# Altium PCB RFFE_Controller.PcbDoc (part 1 of 2) (continued)
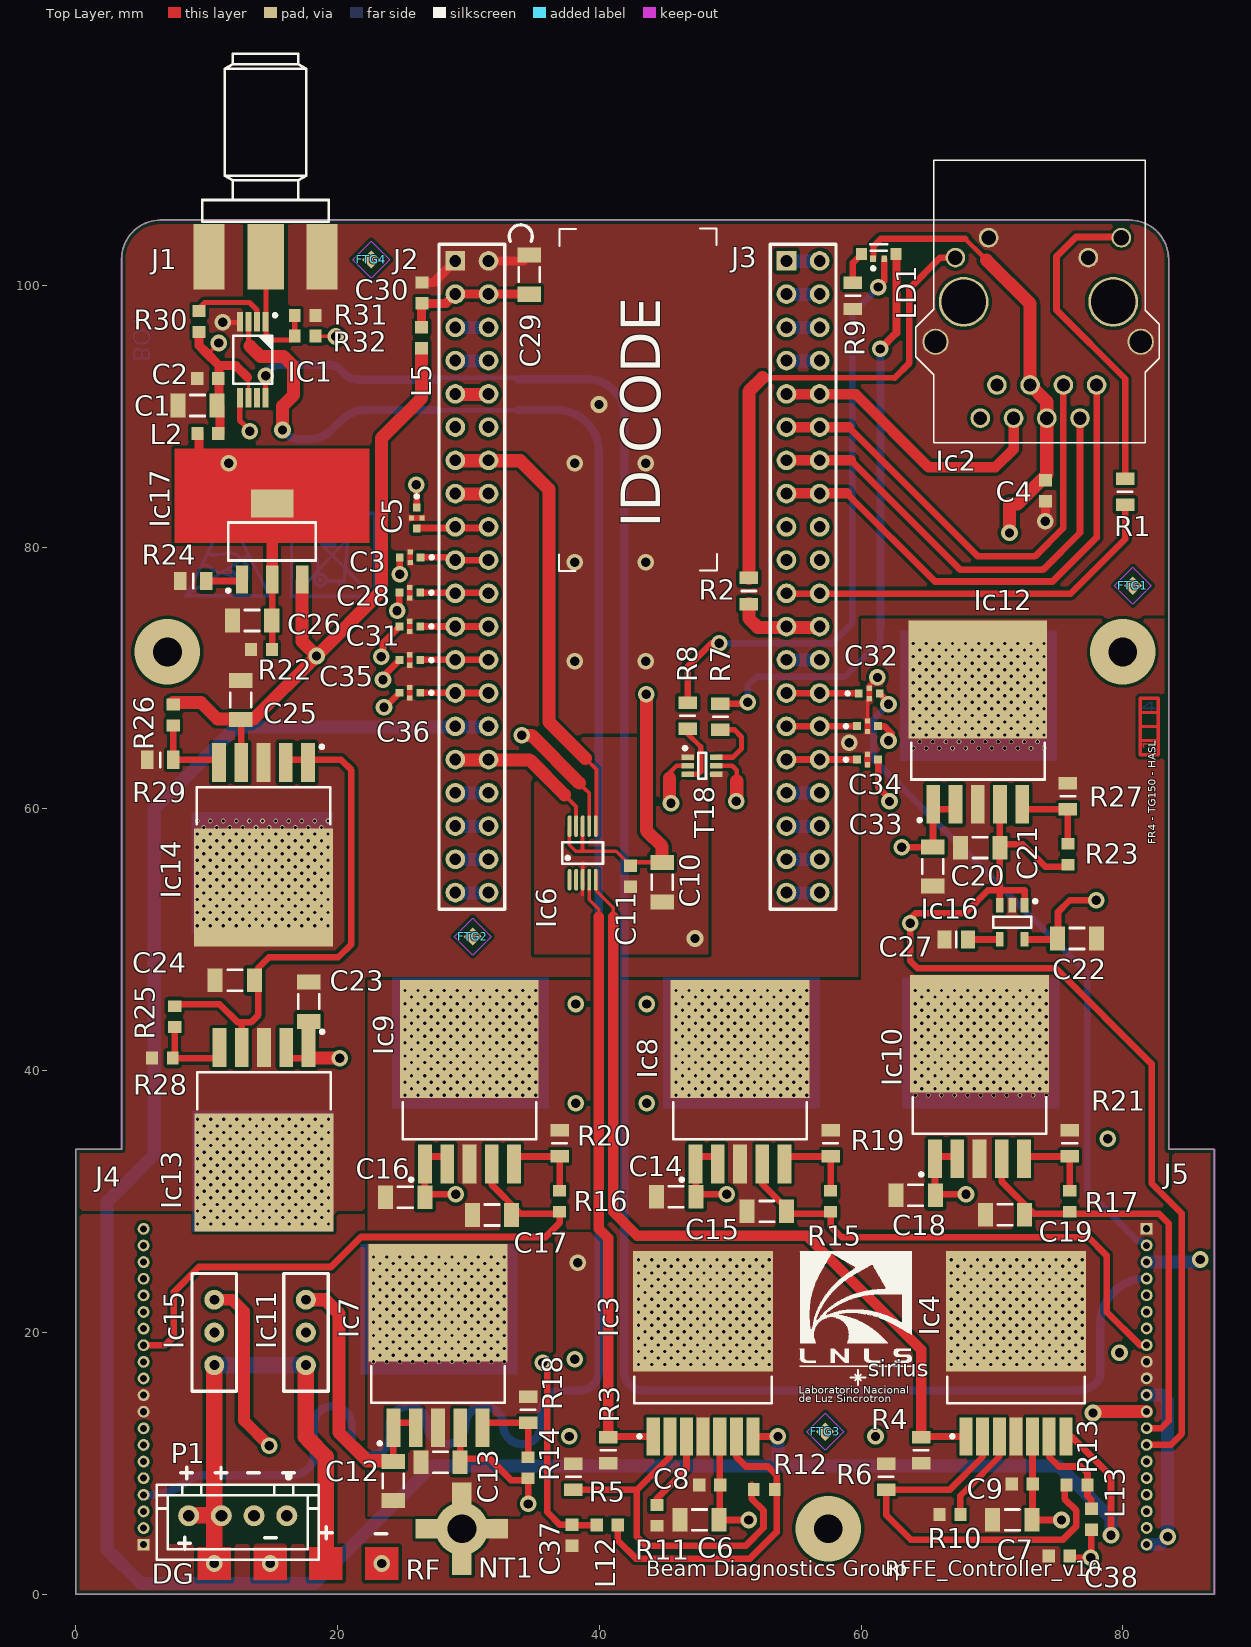
[diagram p0: Top Layer view]
## Part data (continued)
R10 R11: library part R0603_47K_1%_0.1W_100PPM, "Resistor - 1%", Case=0603, Manufacturer=GENERIC, Manufacturer1 ComponentHeight=0.55mm, Manufacturer1 Example="NIC COMPONENT", Manufacturer1 Part Number=NRC06F4702TRF, Power=0.1W, Tolerance=±1%, Author="CERN DEM JLC", Component Type=Standard, CreateDate=03/12/2007, HelpURL=\\cern.ch\dfs\Applications\Altium\Datasheets\R0603_NIC_NRC.pdf, LatestRevisionDate=13/03/2008, Manufacturer Part Number=R0603_47K_1%_0.1W_100PPM, Mounted=Yes, Part Description="General Purpose Thick Film Chip Resistor", Part Number=R0603_47K_1%_0.1W_100PPM, Pin Count=2, Sense=No, SMD=Yes, Socket=No, Status=Preferred, TC=±100ppm/°C
R12 R13: library part R0603_20K_1%_0.1W_100PPM, "Resistor - 1%", Case=0603, Manufacturer=GENERIC, Manufacturer1 ComponentHeight=0.55mm, Manufacturer1 Example="NIC COMPONENT", Manufacturer1 Part Number=NRC06F2002TRF, Power=0.1W, Tolerance=±1%, Author="CERN DEM JLC", Component Type=Standard, CreateDate=03/12/2007, HelpURL=\\cern.ch\dfs\Applications\Altium\Datasheets\R0603_NIC_NRC.pdf, LatestRevisionDate=13/03/2008, Manufacturer Part Number=R0603_20K_1%_0.1W_100PPM, Mounted=Yes, Part Description="General Purpose Thick Film Chip Resistor", Part Number=R0603_20K_1%_0.1W_100PPM, Pin Count=2, Sense=No, SMD=Yes, Socket=No, Status=Preferred, TC=±100ppm/°C
R14 R15 R16 R17 R23 R25 R26 R30: library part R0603_4K7_1%_0.1W_100PPM, "Resistor - 1%", Case=0603, Manufacturer=GENERIC, Manufacturer1 ComponentHeight=0.55mm, Manufacturer1 Example="NIC COMPONENT", Manufacturer1 Part Number=NRC06F4701TRF, Power=0.1W, Tolerance=±1%, Author="CERN DEM JLC", Component Type=Standard, CreateDate=03/12/2007, HelpURL=\\cern.ch\dfs\Applications\Altium\Datasheets\R0603_NIC_NRC.pdf, LatestRevisionDate=13/03/2008, Manufacturer Part Number=R0603_4K7_1%_0.1W_100PPM, Mounted=Yes, Part Description="General Purpose Thick Film Chip Resistor", Part Number=R0603_4K7_1%_0.1W_100PPM, Pin Count=2, Sense=No, SMD=Yes, Socket=No, Status=Preferred, TC=±100ppm/°C
R18 R19 R20 R21 R27 R29: library part R0805_1K5_0.1%_0.1W_10PPM, "Resistor - 0.1%", Case=0805, Manufacturer=GENERIC, Manufacturer1 ComponentHeight=0.6mm, Manufacturer1 Example="TYCO HOLSWORTHY", Manufacturer1 Part Number=RN73C2A1K5BTG, Power=0.1W, Tolerance=±0.1%, Author="CERN DEM JLC", Component Type=Standard, CreateDate=03/12/2007, HelpURL=\\cern.ch\dfs\Applications\Altium\Datasheets\R0805_Tyco_RN73.pdf, LatestRevisionDate=13/03/2008, Manufacturer Part Number=R0805_1K5_0.1%_0.1W_10PPM, Mounted=Yes, Part Description="Thin Film Chip Resistor", Part Number=R0805_1K5_0.1%_0.1W_10PPM, Pin Count=2, Sense=No, SMD=Yes, Socket=No, Status="Not recommended", TC=±10ppm
R22 R28: library part R0603_1K_1%_0.1W_100PPM, "Resistor - 1%", Case=0603, Manufacturer=GENERIC, Manufacturer1 ComponentHeight=0.55mm, Manufacturer1 Example="NIC COMPONENT", Manufacturer1 Part Number=NRC06F1001TRF, Power=0.1W, Tolerance=±1%, Author="CERN DEM JLC", Component Type=Standard, CreateDate=03/12/2007, HelpURL=\\cern.ch\dfs\Applications\Altium\Datasheets\R0603_NIC_NRC.pdf, LatestRevisionDate=13/03/2008, Manufacturer Part Number=R0603_1K_1%_0.1W_100PPM, Mounted=Yes, Part Description="General Purpose Thick Film Chip Resistor", Part Number=R0603_1K_1%_0.1W_100PPM, Pin Count=2, Sense=No, SMD=Yes, Socket=No, Status=Preferred, TC=±100ppm/°C
R24: library part R0805_330K_1%_0.125W_100PPM, "Resistor - 1%", Case=0805, Manufacturer=GENERIC, Manufacturer1 ComponentHeight=0.6mm, Manufacturer1 Example="NIC COMPONENT", Manufacturer1 Part Number=NRC10F3303TRF, Power=0.125W, Tolerance=±1%, Author="CERN DEM JLC", Component Type=Standard, CreateDate=03/12/2007, HelpURL=\\cern.ch\dfs\Applications\Altium\Datasheets\R0805_NIC_NRC.pdf, LatestRevisionDate=13/03/2008, Manufacturer Part Number=R0805_330K_1%_0.125W_100PPM, Mounted=Yes, Part Description="General Purpose Thick Film Chip Resistor", Part Number=R0805_330K_1%_0.125W_100PPM, Pin Count=2, Sense=No, SMD=Yes, Socket=No, Status=Preferred, TC=±100ppm/°C
R31 R32: library part R0603_100R_1%_0.1W_100PPM, "Resistor - 1%", Case=0603, Manufacturer=GENERIC, Manufacturer1 ComponentHeight=0.55mm, Manufacturer1 Example="NIC COMPONENT", Manufacturer1 Part Number=NRC06F4700TRF, Power=0.1W, Tolerance=±1%, Author="CERN DEM JLC", Component Type=Standard, CreateDate=03/12/2007, HelpURL=\\cern.ch\dfs\Applications\Altium\Datasheets\R0603_NIC_NRC.pdf, LatestRevisionDate=13/03/2008, Manufacturer Part Number=R0603_100R_1%_0.1W_100PPM, Mounted=Yes, Part Description="General Purpose Thick Film Chip Resistor", Part Number=R0603_100R_1%_0.1W_100PPM, Pin Count=2, Sense=No, SMD=Yes, Socket=No, Status=Preferred, TC=±100ppm/°C
T18: "Dual N-Channel micro TrenchMOS™ Ultra Low Level FET", Case=SOT363, Manufacturer="NXP SEMICONDUCTORS", Author="CERN DEM JLC", Bonding=No, ComponentHeight=1.1mm, Component Type=Standard, CreateDate=19/11/2014, Device=PMGD280UN, HelpURL=\\cern.ch\dfs\Applications\Altium\Datasheets\PMGD280UN.pdf, LatestRevisionDate=19/11/2014, Manufacturer Part Number=PMGD280UN, Mounted=Yes, PackageDescription="SOT363, SC70-6, SOT, 0.65mm Pitch, 6 pin, 1.25mm W X 2.00mm L X 1.10mm H, IPC Medium Density", Part Description="20V 870mA Dual N-Channel micro TrenchMOS™ Ultra Low Level FET", Part Number=PMGD280UN, Pin Count=6, PressFit=No, Sense=No, SMD=Yes, Socket=No
NT1: Author="LNLS DIG FCS", ComponentHeight=0mm, Component Type="Net Tie", CreateDate=01/07/2016, Family="Net Tie", HelpURL=Undefined, LatestRevisionDate=01/07/2016, Mounted=No, PackageDescription="Plated Through Hole For 4xGND link: Hole Dia.=2.2mm Pad =7.11 x 7.11mm", Part Description="Net Tie (4 Nets) and hole 2.2mm x 7.11mm", Part Number="Net Tie X 4 and hole 2.2", Pin Count=4, Sense=No, SMD=No, Socket=No, Status=None

## Via types
v1: diameter 0.35, hole 0.254, Top Layer to Bottom Layer, 1611 vias
v2: diameter 1.27, hole 0.711, Top Layer to Bottom Layer, 68 vias
v3: diameter 5, hole 2.2, Top Layer to Bottom Layer, 3 vias
v4: diameter 4, hole 2.2, Top Layer to Bottom Layer, 1 vias

## Nets (pads, with @x,y where several pads share a name; then routed paths per layer and width w, separated by ;. In a path a pad name is that pad's centre, name@x,y a point inside that pad or via, vN(x,y) a via of type N, cw(c..) or ccw(c..) an arc to the next point about the centre after c; other vN are vias at no path point)
9VIN: Ic11.1 Ic15.1 P1.3 P1.4 | length 40.5
  Top Layer w1.27: P1.4@8.555,6.025 P1.3@11.095,6.025 ; v2(10.583,2.349) Ic15.1@10.583,17.5 ; Ic11.1@17.583,17.5 17.583,12.053 17.734,11.902 17.734,11.866 19.1,10.5 19.1,2.349
  Bottom Layer w1.27: Ic15.1@10.583,17.5 Ic11.1@17.583,17.5
+3.3V: C4.2 C10.2 C11.2 C26.2 Ic2.4 Ic2.5 Ic6.8 Ic6.10 Ic17.2 Ic17.4 L2.1 LD1.2 R22.2 | length 145.7
  Top Layer w0.254: Ic6.10@37.716,58.475 37.716,57.25 38.195,56.77 41.282,56.77 C11.2@42.131,55.922
  Top Layer w0.3: 38.732,56.8 Ic6.8@38.732,58.1
  Top Layer w0.35: 67.975,103.55 69.211,102.314 69.587,101.937
  Top Layer w0.381: C11.2@42.137,55.928 C10.2@44.804,55.928
  Top Layer w0.45: LD1.2@60.95,102.05 60.95,103
  Top Layer w0.5: 60.95,103 61.5,103.55 67.975,103.55
  Top Layer w0.508: R22.2@15,72.2 Ic17.2@15,77.413
  Top Layer w0.7: 9.25,86.675 9.425,86.85 L2.1@9.425,88.675 ; 11.025,87.088 v2(11.7,86.413)
  Top Layer w0.889: Ic17.2@15,77.413 Ic17.4@15,83.513
  Top Layer w1: v2(43.6,68.775) 43.6,58.35 44.804,57.146 C10.2@44.804,55.928 ; 69.588,101.937 72.92,98.605 Ic2.5@72.92,92.395 74.19,91.125 Ic2.4@74.19,89.855 74.19,85.547 71.934,83.291 71.351,83.291 v2@71.351,81.403
  MidLayer1 w0.381: 48.863,70.05 58.925,70.05
  MidLayer1 w0.508: 28.355,80.275 32.407,80.275
  MidLayer1 w0.7: v2(11.7,86.413) 17.828,80.285 28.355,80.285
  MidLayer1 w1: 32.407,80.275 34.05,80.275 41,73.325 41,71.25 43.625,68.625 45.05,70.05 48.863,70.05 ; 58.925,70.05 69.966,81.091 v2(71.343,81.091)
+3VRF: C22.2 Ic16.5 J4.7 J5.7 | length 129.5
  Top Layer w0.508: Ic16.5@72.503,50.031 C22.2@75.001,50.031 ; C22.2@75.05,50.031 75.05,52.128 75.946,53.024 v2(77.978,53.024)
  MidLayer2 w0.508: J4.7@5.18,11.406 6.531,11.406 7.625,12.5 33.5,12.5 35.086,10.914 77.339,10.914 80.022,13.597 80.022,16.203 78.575,17.65 78.575,21.15 79.025,21.6 80.425,21.6 80.425,50.577 v2(77.978,53.024) ; 80.425,21.613 81.732,20.306 J5.7@81.82,20.306
+5VD: C25.2 Ic14.4 Ic17.3 J4.12 J5.12 L5.1 R26.2 | length 195
  Top Layer w0.508: Ic14.4@12.653,63.757 C25.2@12.653,66.871 ; L5.1@26.4,95.175 L5.1@26.425,95.15
  Top Layer w1: R26.2@7.452,68.136 9.566,68.136 10.831,66.871 12.653,66.871 13.582,66.871 v2(18.4,71.689) ; Ic17.3@17.3,77.413 17.3,72.789 v2(18.4,71.689) ; L5.1@26.425,95.15 26.425,91.4 23.355,88.33 23.355,76.645 v2(18.4,71.689) ; v2(77.725,13.85) 77.831,13.956 J5.12@81.82,13.956
  MidLayer2 w0.8: J4.12@5.18,17.756 6.244,17.756 6.546,17.454 6.546,15.854 8.4,14 77.575,14 v2(77.725,13.85)
  MidLayer2 w1: J4.12@5.18,17.756 3.444,17.756 2.075,19.125 2.075,29.95 5.888,33.763 5.888,64.588 12.989,71.689 v2(18.4,71.689)
+5VRF: C21.2 Ic12.4 Ic16.1 Ic16.3 J4.14 J5.14 R23.2 | length 178.4
  Top Layer w0.508: Ic16.3@70.603,52.731 70.603,53.788 ; Ic12.4@70.603,59.97 C21.2@70.603,57.303 ; Ic16.1@72.503,52.731 72.503,53.788 70.603,53.788 ; R23.2@75.804,55.591 74.071,55.591 72.359,57.303 C21.2@70.603,57.303 ; J5.14@81.82,11.416 83.666,11.416 84.5,12.25 84.5,29.1 82.2,31.4 82.2,40.522 74.887,47.834 64.316,47.834 63.75,48.4 63.75,51.625 64.15,52.025 67.943,52.025 69.706,53.788 70.603,53.788 ; 70.603,53.788 C21.2@70.603,57.303
  MidLayer2 w0.8: J4.14@5.18,20.296 5.879,20.296 7.6,18.575 7.6,16.7 9.246,15.054 39.354,15.054 41,16.7 41,51.05 41.675,51.725 63.3,51.725 v2(63.75,51.275)
+9VD: C6.2 C7.2 C8.2 C9.2 C23.2 Ic3.5 Ic4.5 Ic13.1 Ic13.2 Ic15.3 | length 130.5
  Top Layer w0.508: Ic13.2@16.094,40.957 17.796,40.957 C23.2@17.796,43.848 ; Ic3.5@49.202,12.057 49.202,5.675 v2(51.409,5.675) ; C7.2@73.105,5.675 v2(75.312,5.675) ; C7.2@73.105,5.693 Ic4.5@73.105,12.057
  Top Layer w0.889: Ic15.3@10.583,22.5 11.968,22.5 12.852,21.615 12.852,13.273 v2(14.775,11.35)
  Top Layer w1: Ic13.1@17.796,40.957 v2(20.163,40.957)
  MidLayer1 w0.889: v2(14.775,11.35) 33.35,11.35 35.48,9.22 71.767,9.22 v2(75.312,5.675) ; v2(51.409,5.675) 51.409,9.211
  MidLayer1 w1: Ic15.3@10.583,22.5 13.333,25.25 18.56,25.25 21.05,27.74 21.05,40.07 v2(20.163,40.957)
+9VRF: C12.2 C14.2 C16.2 C18.2 C20.2 Ic7.1 Ic7.2 Ic8.1 Ic8.2 Ic9.1 Ic9.2 Ic10.1 Ic10.2 Ic11.3 Ic12.1 Ic12.2 | length 136.8
  Top Layer w0.508: C12.2@24.262,10.201 24.262,13.096 Ic7.2@25.964,13.096 ; Ic9.2@28.369,33.451 26.667,33.451 26.667,30.556 v2(29.034,30.556) ; Ic8.2@49.07,33.451 47.368,33.451 47.368,30.556 v2(49.735,30.556) ; v2(63.108,57.075) 65.497,57.075 65.497,59.97 Ic12.2@67.199,59.97 ; Ic10.2@67.358,33.451 65.656,33.451 65.656,30.556 v2(68.023,30.556)
  Top Layer w1: Ic11.3@17.583,22.5 19.054,22.5 20.1,21.454 20.1,12.361 22.26,10.201 C12.2@24.262,10.201
  MidLayer1 w1: Ic11.3@17.583,22.5 29.932,34.849 63.73,34.849 v2(68.023,30.556) ; 27.383,32.207 v2(29.034,30.556) ; v2(49.735,30.556) 49.735,34.814 ; 60.477,34.871 60.477,54.444 v2(63.108,57.075)
A+5V: C17.2 Ic9.4 J4.13 R16.2 | length 46.6
  Top Layer w0.508: J4.13@5.18,19.026 6.826,19.026 7.5,19.7 7.5,23.1 9.4,25 19.5,25 21.8,27.3 35.9,27.3 36.974,28.374 36.974,29.072 34.003,29.072 31.773,31.302 Ic9.4@31.773,33.451
AGND: C6.1 C7.1 C8.1 C9.1 C10.1 C11.1 C37.1 C38.1 Ic3.4 Ic3.8 Ic4.4 Ic4.8 Ic6.3 J4.1 J4.9 J4.10 J5.1 J5.9 J5.10 NT1.1 R3.1 R4.1 R5.2 R6.2 R10.1 R11.1 | length 7.4
  Top Layer w0.25: 38.726,53.426 38.726,54.582 Ic6.3@38.732,54.588 38.732,55.882
  MidLayer1 w1.27: v2(38.35,25.325) 42.223,25.325 v1(42.998,24.549)
  other v1: 42.998,17.549 43.998,17.549 44.998,17.549 45.998,17.549 46.998,17.549 47.998,17.549 48.998,17.549 49.998,17.549 50.998,17.549 51.998,17.549 52.998,17.549 66.901,17.549 67.901,17.549 68.901,17.549 69.901,17.549 70.901,17.549 71.901,17.549 72.901,17.549 73.901,17.549 74.901,17.549 75.901,17.549 76.901,17.549 43.498,18.049 44.498,18.049 45.498,18.049 46.498,18.049 47.498,18.049 48.498,18.049 49.498,18.049 50.498,18.049 51.498,18.049 52.498,18.049 67.401,18.049 68.401,18.049 69.401,18.049 70.401,18.049 71.401,18.049 72.401,18.049 73.401,18.049 74.401,18.049 75.401,18.049 76.401,18.049 42.998,18.549 43.998,18.549 44.998,18.549 45.998,18.549 46.998,18.549 47.998,18.549 48.998,18.549 49.998,18.549 50.998,18.549 51.998,18.549 52.998,18.549 66.901,18.549 67.901,18.549 68.901,18.549 69.901,18.549 70.901,18.549 71.901,18.549 72.901,18.549 73.901,18.549 74.901,18.549 75.901,18.549 76.901,18.549 43.498,19.049 44.498,19.049 45.498,19.049 46.498,19.049 47.498,19.049 48.498,19.049 49.498,19.049 50.498,19.049 51.498,19.049 52.498,19.049 67.401,19.049 68.401,19.049 69.401,19.049 70.401,19.049 71.401,19.049 72.401,19.049 73.401,19.049 74.401,19.049 75.401,19.049 76.401,19.049 42.998,19.549 43.998,19.549 44.998,19.549 45.998,19.549 46.998,19.549 47.998,19.549 48.998,19.549 49.998,19.549 50.998,19.549 51.998,19.549 52.998,19.549 66.901,19.549 67.901,19.549 68.901,19.549 69.901,19.549 70.901,19.549 71.901,19.549 72.901,19.549 73.901,19.549 74.901,19.549 75.901,19.549 76.901,19.549 43.498,20.049 44.498,20.049 45.498,20.049 46.498,20.049 47.498,20.049 48.498,20.049 49.498,20.049 50.498,20.049 51.498,20.049 52.498,20.049 67.401,20.049 68.401,20.049 69.401,20.049 70.401,20.049 71.401,20.049 72.401,20.049 73.401,20.049 74.401,20.049 75.401,20.049 76.401,20.049 42.998,20.549 43.998,20.549 44.998,20.549 45.998,20.549 46.998,20.549 47.998,20.549 48.998,20.549 49.998,20.549 50.998,20.549 51.998,20.549 52.998,20.549 66.901,20.549 67.901,20.549 68.901,20.549 69.901,20.549 70.901,20.549 71.901,20.549 72.901,20.549 73.901,20.549 74.901,20.549 75.901,20.549 76.901,20.549 43.498,21.049 44.498,21.049 45.498,21.049 46.498,21.049 47.498,21.049 48.498,21.049 49.498,21.049 50.498,21.049 51.498,21.049 52.498,21.049 67.401,21.049 68.401,21.049 69.401,21.049 70.401,21.049 71.401,21.049 72.401,21.049 73.401,21.049 74.401,21.049 75.401,21.049 76.401,21.049 42.998,21.549 43.998,21.549 44.998,21.549 45.998,21.549 46.998,21.549 47.998,21.549 48.998,21.549 49.998,21.549 50.998,21.549 51.998,21.549 52.998,21.549 66.901,21.549 67.901,21.549 68.901,21.549 69.901,21.549 70.901,21.549 71.901,21.549 72.901,21.549 73.901,21.549 74.901,21.549 75.901,21.549 76.901,21.549 43.498,22.049 44.498,22.049 45.498,22.049 46.498,22.049 47.498,22.049 48.498,22.049 49.498,22.049 50.498,22.049 51.498,22.049 52.498,22.049 67.401,22.049 68.401,22.049 69.401,22.049 70.401,22.049 71.401,22.049 72.401,22.049 73.401,22.049 74.401,22.049 75.401,22.049 76.401,22.049 42.998,22.549 43.998,22.549 44.998,22.549 45.998,22.549 46.998,22.549 47.998,22.549 48.998,22.549 49.998,22.549 50.998,22.549 51.998,22.549 52.998,22.549 66.901,22.549 67.901,22.549 68.901,22.549 69.901,22.549 70.901,22.549 71.901,22.549 72.901,22.549 73.901,22.549 74.901,22.549 75.901,22.549 76.901,22.549 43.498,23.049 44.498,23.049 45.498,23.049 46.498,23.049 47.498,23.049 48.498,23.049 49.498,23.049 50.498,23.049 51.498,23.049 52.498,23.049 67.401,23.049 68.401,23.049 69.401,23.049 70.401,23.049 71.401,23.049 72.401,23.049 73.401,23.049 74.401,23.049 75.401,23.049 76.401,23.049 42.998,23.549 43.998,23.549 44.998,23.549 45.998,23.549 46.998,23.549 47.998,23.549 48.998,23.549 49.998,23.549 50.998,23.549 51.998,23.549 52.998,23.549 66.901,23.549 67.901,23.549 68.901,23.549 69.901,23.549 70.901,23.549 71.901,23.549 72.901,23.549 73.901,23.549 74.901,23.549 75.901,23.549 76.901,23.549 43.498,24.049 44.498,24.049 45.498,24.049 46.498,24.049 47.498,24.049 48.498,24.049 49.498,24.049 50.498,24.049 51.498,24.049 52.498,24.049 67.401,24.049 68.401,24.049 69.401,24.049 70.401,24.049 71.401,24.049 72.401,24.049 73.401,24.049 74.401,24.049 75.401,24.049 76.401,24.049 43.998,24.549 44.998,24.549 45.998,24.549 46.998,24.549 47.998,24.549 48.998,24.549 49.998,24.549 50.998,24.549 51.998,24.549 52.998,24.549 66.901,24.549 67.901,24.549 68.901,24.549 69.901,24.549 70.901,24.549 71.901,24.549 72.901,24.549 73.901,24.549 74.901,24.549 75.901,24.549 76.901,24.549 43.498,25.049 44.498,25.049 45.498,25.049 46.498,25.049 47.498,25.049 48.498,25.049 49.498,25.049 50.498,25.049 51.498,25.049 52.498,25.049 67.401,25.049 68.401,25.049 69.401,25.049 70.401,25.049 71.401,25.049 72.401,25.049 73.401,25.049 74.401,25.049 75.401,25.049 76.401,25.049 42.998,25.549 43.998,25.549 44.998,25.549 45.998,25.549 46.998,25.549 47.998,25.549 48.998,25.549 49.998,25.549 50.998,25.549 51.998,25.549 52.998,25.549 66.901,25.549 67.901,25.549 68.901,25.549 69.901,25.549 70.901,25.549 71.901,25.549 72.901,25.549 73.901,25.549 74.901,25.549 75.901,25.549 76.901,25.549
  other v2: 47.315,50.103
B+5V: C19.2 Ic10.4 J5.13 R17.2 | length 33
  Top Layer w0.508: Ic10.4@70.74,33.451 70.74,31.535 73.203,29.072 82.778,29.072 83.5,28.35 83.5,13.25 82.936,12.686 J5.13@81.82,12.686
C+5V: C13.2 Ic7.4 J4.8 R14.2 | length 42.2
  Top Layer w0.508: Ic7.4@29.368,13.096 29.368,10.363 31.611,10.363 33.257,8.717 34.569,8.717 v2(34.569,6.9)
  MidLayer1 w0.508: J4.8@5.18,12.676 5.891,12.676 8.642,9.925 31.544,9.925 v2(34.569,6.9)
clk_mbed: C31.1 J2.23 J2.24 | length 5.2
  Top Layer w0.508: C31.1@26.325,73.95 26.34,73.935 J2.23@29,73.935 J2.24@31.54,73.935
CSac_mbed: C36.1 J2.27 J2.28 | length 5.2
  Top Layer w0.508: C36.1@26.325,68.875 28.98,68.875 J2.27@29,68.855 J2.28@31.54,68.855
CSbd_mbed: C33.1 J3.31 J3.32 | length 5.4
  Top Layer w0.504: J3.31@54.3,63.775 J3.32@56.84,63.775 59.65,63.775 C33.1@59.7,63.725
D+5V: C15.2 Ic8.4 J5.8 R15.2 | length 39.6
  Top Layer w0.508: Ic8.4@52.474,33.451 52.474,31.326 54.728,29.072 57.675,29.072 57.675,28.125 58.52,27.28 77.368,27.28 78.765,25.883 78.765,21.585 81.317,19.033 J5.8@81.817,19.033
dataA_mbed: C28.1 J2.21 J2.22 | length 5.2
  Top Layer w0.508: C28.1@26.325,76.525 31.49,76.525 J2.22@31.54,76.475
dataB_mbed: C34.1 J3.29 J3.30 | length 5.4
  Top Layer w0.508: J3.29@54.3,66.315 J3.30@56.84,66.315 56.85,66.325 C34.1@59.7,66.325
dataC_mbed: C3.1 J2.19 J2.20 | length 5.3
  Top Layer w0.508: C3.1@26.35,79.225 28.79,79.225 J2.19@29,79.015 J2.20@31.54,79.015
dataD_mbed: C32.1 J3.27 J3.28 | length 5.5
  Top Layer w0.504: J3.27@54.3,68.855 J3.28@56.84,68.855 59.795,68.855 C32.1@59.825,68.825
DGND: C1.1 C2.1 C3.2 C4.1 C5.2 C23.1 C24.1 C25.1 C26.1 C28.2 C29.1 C30.1 C31.2 C32.2 C33.2 C34.2 C35.2 C36.2 IC1.4 Ic2.10 Ic2.11 Ic2.13 Ic2.14 Ic13.3 Ic13.6 Ic14.3 Ic14.6 Ic15.2 J1.2 J2.1 J2.2 NT1.2 NT1.3 R9.1 R22.1 R24.1 R28.2 R29.1 R31.1 T18.1 T18.4 | length 12.7
  Top Layer w0.254: C34.2@60.5,66.725 60.5,68.25 60.675,68.425 60.675,68.675 ; 60.625,68.95 60.625,69.425 v2(61.25,70.05)
  Top Layer w0.4: v2(11.225,97.175) IC1.4@12.5,97.175
  Top Layer w0.7: C30.1@26.45,100.225 27.35,100.225 J2.1@29,101.875 ; J2.2@31.54,101.875 34.2,101.875 C29.1@34.65,102.325 ; v2(74.075,81.975) 74.1,82 C4.1@74.1,83.525
  other v1: 9.308,28.282 10.308,28.282 11.308,28.282 12.308,28.282 13.308,28.282 14.308,28.282 15.308,28.282 16.308,28.282 17.308,28.282 18.308,28.282 19.308,28.282 9.808,28.782 10.808,28.782 11.808,28.782 12.808,28.782 13.808,28.782 14.808,28.782 15.808,28.782 16.808,28.782 17.808,28.782 18.808,28.782 9.308,29.282 10.308,29.282 11.308,29.282 12.308,29.282 13.308,29.282 14.308,29.282 15.308,29.282 16.308,29.282 17.308,29.282 18.308,29.282 19.308,29.282 9.808,29.782 10.808,29.782 11.808,29.782 12.808,29.782 13.808,29.782 14.808,29.782 15.808,29.782 16.808,29.782 17.808,29.782 18.808,29.782 9.308,30.282 10.308,30.282 11.308,30.282 12.308,30.282 13.308,30.282 14.308,30.282 15.308,30.282 16.308,30.282 17.308,30.282 18.308,30.282 19.308,30.282 9.808,30.782 10.808,30.782 11.808,30.782 12.808,30.782 13.808,30.782 14.808,30.782 15.808,30.782 16.808,30.782 17.808,30.782 18.808,30.782 9.308,31.282 10.308,31.282 11.308,31.282 12.308,31.282 13.308,31.282 14.308,31.282 15.308,31.282 16.308,31.282 17.308,31.282 18.308,31.282 19.308,31.282 9.808,31.782 10.808,31.782 11.808,31.782 12.808,31.782 13.808,31.782 14.808,31.782 15.808,31.782 16.808,31.782 17.808,31.782 18.808,31.782 9.308,32.282 10.308,32.282 11.308,32.282 12.308,32.282 13.308,32.282 14.308,32.282 15.308,32.282 16.308,32.282 17.308,32.282 18.308,32.282 19.308,32.282 9.808,32.782 10.808,32.782 11.808,32.782 12.808,32.782 13.808,32.782 14.808,32.782 15.808,32.782 16.808,32.782 17.808,32.782 18.808,32.782 9.308,33.282 10.308,33.282 11.308,33.282 12.308,33.282 13.308,33.282 14.308,33.282 15.308,33.282 16.308,33.282 17.308,33.282 18.308,33.282 19.308,33.282 9.808,33.782 10.808,33.782 11.808,33.782 12.808,33.782 13.808,33.782 14.808,33.782 15.808,33.782 16.808,33.782 17.808,33.782 18.808,33.782 9.308,34.282 10.308,34.282 11.308,34.282 12.308,34.282 13.308,34.282 14.308,34.282 15.308,34.282 16.308,34.282 17.308,34.282 18.308,34.282 19.308,34.282 9.808,34.782 10.808,34.782 11.808,34.782 12.808,34.782 13.808,34.782 14.808,34.782 15.808,34.782 16.808,34.782 17.808,34.782 18.808,34.782 9.308,35.282 10.308,35.282 11.308,35.282 12.308,35.282 13.308,35.282 14.308,35.282 15.308,35.282 16.308,35.282 17.308,35.282 18.308,35.282 19.308,35.282 9.808,35.782 10.808,35.782 11.808,35.782 12.808,35.782 13.808,35.782 14.808,35.782 15.808,35.782 16.808,35.782 17.808,35.782 18.808,35.782 9.308,36.282 10.308,36.282 11.308,36.282 12.308,36.282 13.308,36.282 14.308,36.282 15.308,36.282 16.308,36.282 17.308,36.282 18.308,36.282 19.308,36.282 9.271,51.082 10.271,51.082 11.271,51.082 12.271,51.082 13.271,51.082 14.271,51.082 15.271,51.082 16.271,51.082 17.271,51.082 18.271,51.082 19.271,51.082 9.771,51.582 10.771,51.582 11.771,51.582 12.771,51.582 13.771,51.582 14.771,51.582 15.771,51.582 16.771,51.582 17.771,51.582 18.771,51.582 9.271,52.082 10.271,52.082 11.271,52.082 12.271,52.082 13.271,52.082 14.271,52.082 15.271,52.082 16.271,52.082 17.271,52.082 18.271,52.082 19.271,52.082 9.771,52.582 10.771,52.582 11.771,52.582 12.771,52.582 13.771,52.582 14.771,52.582 15.771,52.582 16.771,52.582 17.771,52.582 18.771,52.582 9.271,53.082 10.271,53.082 11.271,53.082 12.271,53.082 13.271,53.082 14.271,53.082 15.271,53.082 16.271,53.082 17.271,53.082 18.271,53.082 19.271,53.082 9.771,53.582 10.771,53.582 11.771,53.582 12.771,53.582 13.771,53.582 14.771,53.582 15.771,53.582 16.771,53.582 17.771,53.582 18.771,53.582 9.271,54.082 10.271,54.082 11.271,54.082 12.271,54.082 13.271,54.082 14.271,54.082 15.271,54.082 16.271,54.082 17.271,54.082 18.271,54.082 19.271,54.082 9.771,54.582 10.771,54.582 11.771,54.582 12.771,54.582 13.771,54.582 14.771,54.582 15.771,54.582 16.771,54.582 17.771,54.582 18.771,54.582 9.271,55.082 10.271,55.082 11.271,55.082 12.271,55.082 13.271,55.082 14.271,55.082 15.271,55.082 16.271,55.082 17.271,55.082 18.271,55.082 19.271,55.082 9.771,55.582 10.771,55.582 11.771,55.582 12.771,55.582 13.771,55.582 14.771,55.582 15.771,55.582 16.771,55.582 17.771,55.582 18.771,55.582 9.271,56.082 10.271,56.082 11.271,56.082 12.271,56.082 13.271,56.082 14.271,56.082 15.271,56.082 16.271,56.082 17.271,56.082 18.271,56.082 19.271,56.082 9.771,56.582 10.771,56.582 11.771,56.582 12.771,56.582 13.771,56.582 14.771,56.582 15.771,56.582 16.771,56.582 17.771,56.582 18.771,56.582 9.271,57.082 10.271,57.082 11.271,57.082 12.271,57.082 13.271,57.082 14.271,57.082 15.271,57.082 16.271,57.082 17.271,57.082 18.271,57.082 19.271,57.082 9.771,57.582 10.771,57.582 11.771,57.582 12.771,57.582 13.771,57.582 14.771,57.582 15.771,57.582 16.771,57.582 17.771,57.582 18.771,57.582 9.271,58.082 10.271,58.082 11.271,58.082 12.271,58.082 13.271,58.082 14.271,58.082 15.271,58.082 16.271,58.082 17.271,58.082 18.271,58.082 19.271,58.082 9.771,58.582 10.771,58.582 11.771,58.582 12.771,58.582 13.771,58.582 14.771,58.582 15.771,58.582 16.771,58.582 17.771,58.582 18.771,58.582 9.271,59.082 10.271,59.082 11.271,59.082 12.271,59.082 13.271,59.082 14.271,59.082 15.271,59.082 16.271,59.082 17.271,59.082 18.271,59.082 19.271,59.082
  other v2: 14.859,2.35 37.7,12.057 61.1,12.057 38.125,17.95 78.85,34.8 38.2,37.525 43.625,37.525 38.2,45.1 43.625,45.1 59.1,65.05 38.125,71.275 43.55,71.275 38.125,78.85 43.55,78.85 38.125,86.425 43.55,86.425 39.975,90.9
LE_mbed: C35.1 J2.25 J2.26 | length 5.2
  Top Layer w0.508: C35.1@26.325,71.375 26.345,71.395 J2.25@29,71.395 J2.26@31.54,71.395
NetC1_2: C1.2 C2.2 IC1.6 L2.2 R30.2 R32.2 | length 24.6
  Top Layer w0.254: 9.95,94.875 10.2,94.875 v2(10.925,95.6) ; 13.125,92.975 13.2,92.9 IC1.6@13.2,91.425 ; R32.2@18.325,96.125 19.85,96.125 v2(19.875,96.1)
  Top Layer w0.7: R30.2@9.425,96.45 9.425,95.4 9.95,94.875 10.95,93.875 ; L2.2@11.025,88.675 11.025,90.75 10.95,90.825 10.95,92.9 10.95,93.875 ; 13.125,92.975 12.225,93.875 10.95,93.875
  MidLayer1 w0.254: v2(10.925,95.6) 11.425,96.1 v2(19.875,96.1)
NetC3_3: C3.3 J4.2 | length 89.1
  Top Layer w0.508: C3.3@24.75,79.225 24.75,77.93 v2(24.751,77.929)
  MidLayer1 w0.508: J4.2@5.18,5.056 4.525,5.056 1.152,8.429 1.152,29.888 4.889,33.625 4.889,61.896 8.539,65.546 13.873,65.546 23.407,75.08 23.407,75.598 23.408,75.6 23.408,76.586 v2(24.751,77.929)
NetC5_1: C5.1 IC1.5 | length 18.5
  Top Layer w0.4: IC1.5@12.521,91.425 12.521,89.679 12.85,89.35
  Top Layer w0.508: v2(13.3,88.85) v2@13.3,88.9 ; v2(26.025,84.775) 26.05,84.75 C5.1@26.05,83.025 C5.1@26.05,82.975
  MidLayer1 w0.508: v2(13.3,88.85) 17.375,84.775 v2(26.025,84.775)
NetC5_3: C5.3 J2.17 J2.18 | length 5.6
  Top Layer w0.508: C5.3@26.05,81.375 26.142,81.467 31.54,81.467 J2.18@31.54,81.555
NetC24_2: C24.2 Ic13.4 Ic14.1 Ic14.2 R25.2 | length 40
  Top Layer w0.508: R25.2@7.566,45.082 10.993,45.082 12.385,43.69 12.69,43.69 ; Ic13.4@12.69,40.957 12.69,43.69 ; Ic14.2@16.057,63.757 20.263,63.757 21.056,62.964 21.056,49.664 20.056,48.664 14.756,48.664 13.956,47.864 13.956,44.264 13.382,43.69 12.69,43.69
NetC27_2: C27.2 Ic16.4 | length 2.4
  Top Layer w0.508: C27.2@68.229,50.031 Ic16.4@70.603,50.031
NetC28_3: C28.3 J4.3 | length 84.5
  Top Layer w0.508: v2(24.551,75.154) 24.725,75.327 C28.3@24.725,76.525
  MidLayer1 w0.508: J4.3@5.18,6.326 4.525,6.326 1.914,8.937 1.914,29.572 5.651,33.309 5.651,61.581 8.855,64.784 14.189,64.784 24.551,75.146 v2(24.551,75.154)
NetC29_2: C29.2 C30.2 J2.3 J2.4 L5.2 | length 9.9
  Top Layer w0.7: L5.2@26.425,96.8 26.425,98.6 C30.2@26.45,98.625 28.29,98.625 J2.3@29,99.335 J2.4@31.54,99.335 34.04,99.335 C29.2@34.15,99.225